# Altium PCB 瓦力驱动.PcbDoc (part 1 of 2) (continued)
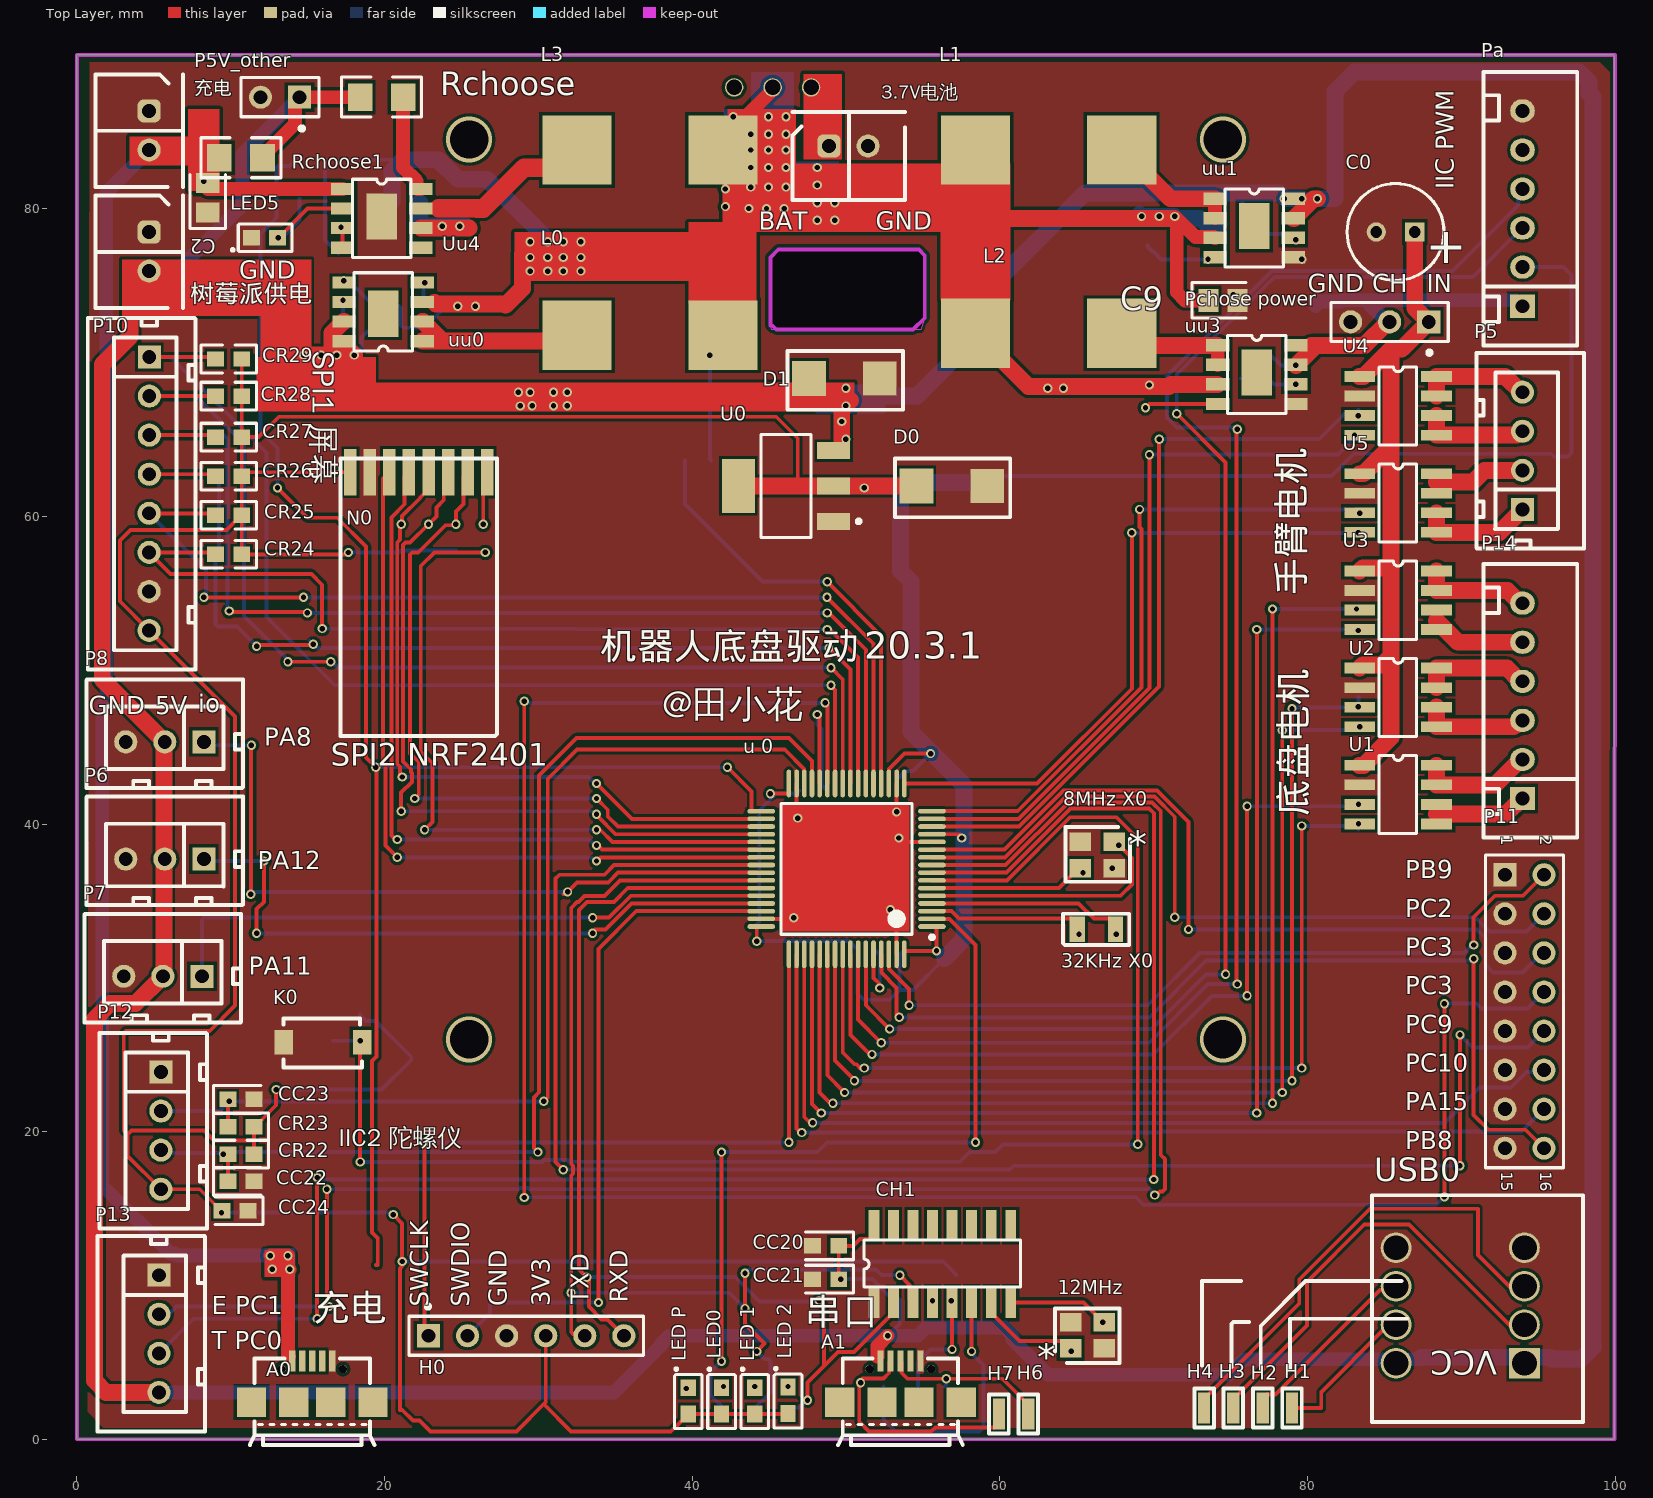
[diagram p0: Top Layer view]
## Components (designator, comment, footprint, x,y, rotation, side; value= is the part's Value field where it differs from the comment) (continued)
CR25 "Resistor Chip 0603" CR1608-0603 9.867,60.071 r0 top value=47K
CR26 "Resistor Chip 0603" CR1608-0603 9.867,62.611 r0 top value=47K
CR27 "Resistor Chip 0603" CR1608-0603 9.867,65.151 r0 top value=47K
CR28 "Resistor Chip 0603" CR1608-0603 9.867,67.818 r0 top value=47K
CR29 "Resistor Chip 0603" CR1608-0603 9.867,70.231 r0 top value=47K
CR30 "Resistor Chip 0603" CR1608-0603 26.416,58.635 r270 bottom value=4.7K
CR31 "Resistor Chip 0603" CR1608-0603 21.082,58.635 r270 bottom value=47K
CR32 "Resistor Chip 0603" CR1608-0603 24.638,58.635 r270 bottom value=47K
CR33 "Resistor Chip 0603" CR1608-0603 22.86,58.635 r270 bottom value=47K
D0 "SMBJ3.3A" DO214AA(SMB) 54.582,61.976 r0 top
D1 "SMBJ3.3A" DO214AA(SMB) 47.597,68.961 r0 top
H0 "Header 6" HDR1X6 22.86,6.731 r0 top
H1 "H0" "header 1" 78.994,2.032 r0 top
H2 "H0" "header 1" 77.089,2.032 r0 top
H3 "H0" "header 1" 75.184,2.032 r0 top
H4 "H0" "header 1" 73.279,2.032 r0 top
H6 "H0" "header 1" 61.849,1.651 r0 top
H7 "H0" "header 1" 59.944,1.651 r0 top
K0 "KEY 3*4" "KEY 3*4" 13.442,25.823 r0 top
L0 "2.2UH" Inductor-1040 42.012,71.774 r270 top
L1 "2.2UH" Inductor-1040 58.42,83.82 r90 top
L2 "2.2UH" Inductor-1040 58.42,71.901 r90 top
L3 "1UH" Inductor-1040 32.512,83.82 r90 top
LED0 "LED Chip" CLED1608-0603 41.91,2.501 r90 top
LED5 "LED Chip" CLED1608-0603 12.192,78.105 r180 top
"LED 1" "LED Chip" CLED1608-0603 44.069,2.501 r90 top
"LED 2" "LED Chip" CLED1608-0603 46.228,2.54 r90 top
"LED P" "LED Chip" CLED1608-0603 39.751,2.501 r90 top
N0 "NRF24L01" NRF24L01 17.78,62.865 r0 top
P5 "Header 4" HX2.54-4 93.98,60.452 r90 top
P5V_other "Header 2" HDR1X2 14.478,87.249 r180 top
P6 "Header 3" HX2.54-3 8.255,37.719 r180 top
P7 "Header 3" HX2.54-3 8.128,30.099 r180 top
P8 "Header 3" HX2.54-3 8.255,45.339 r180 top
P10 "Header 8" HX2.54-8 4.709,70.358 r270 top
P11 "Header 8X2" HDR2X8 92.837,36.703 r270 top
P12 "Header 4" HX2.54-4 5.461,23.876 r270 top
P13 "Header 4" HX2.54-4 5.334,10.668 r270 top
P14 "Header 6" HX2.54-6 93.98,41.656 r90 top
Pa "Header 6" HX2.54-6 93.98,73.66 r90 top
"Pchose power" "Header 3" HDR1X3 87.884,72.644 r180 top
R0 "Resistor Chip 0805" CR2012-0805 21.336,80.391 r0 bottom value=0.5R
R4 "Resistor Chip 0603" CR1608-0603 40.386,63.627 r0 bottom value=10K
R5 "Resistor Chip 0603" CR1608-0603 40.386,61.838 r0 bottom value=10K
R6 "Resistor Chip 0603" CR1608-0603 21.678,73.787 r0 bottom value=100K
R7 "Resistor Chip 0603" CR1608-0603 18.073,72.009 r180 bottom value=310K
R8 "Resistor Chip 0603" CR1608-0603 18.147,74.041 r0 bottom value=100K
R9 "Resistor Chip 0603" CR1608-0603 69.596,78.447 r270 bottom value=100K
R10 "Resistor Chip 0603" CR1608-0603 76.62,78.359 r0 bottom value=310K
R11 "Resistor Chip 0603" CR1608-0603 80.557,78.359 r0 bottom value=100K
R12 "Resistor Chip 0603" CR1608-0603 69.723,67.691 r270 bottom value=100K
R13 "Resistor Chip 0603" CR1608-0603 77.47,69.811 r270 bottom value=310K
R14 "Resistor Chip 0603" CR1608-0603 75.692,69.811 r90 bottom value=100K
R15 "Resistor Chip 0603" CR1608-0603 17.297,77.812 r90 bottom value=520R
Rchoose "Resistor Chip 1206" CR3216-1206 19.809,87.249 r180 top value=0R
Rchoose1 "Resistor Chip 1206" CR3216-1206 10.667,83.312 r0 top value=0R
Rchoose2 "Resistor Chip 1206" CR3216-1206 14.478,82.045 r270 bottom value=0R
SW0 "MKS-12D19" "SW  MKS 12D19" 42.73,87.884 r0 bottom
U0 "AMS1117-3.3" SOT-223 46.101,61.976 r90 top
U1 "RZ7899" SOP8 83.392,43.815 r0 top
U2 "RZ7899" SOP8 83.392,50.133 r0 top
U3 "RZ7899" SOP8 83.392,56.451 r0 top
U4 "RZ7899" SOP8 83.392,69.088 r0 top
U5 "RZ7899" SOP8 83.392,62.77 r0 top
"u 0" "STM32F103RCT6" STM-LQFP64_N 50.038,37.084 r180 top
USB0 "USB 8P" "USB DIP 8" 94.107,4.946 r180 top
uu0 "PS7526" ESOP8 22.452,71.393 r180 top
uu1 "PS7526" ESOP8 73.994,80.645 r0 top
uu3 "PS7526" ESOP8 74.168,71.12 r0 top
Uu4 "IP5306" ESOP8 17.272,81.28 r0 top
充电 "Header 2" HX2.54-2 4.699,86.36 r270 top
树莓派供电 "Header 2" HX2.54-2 4.699,78.486 r270 top

## Footprints (in the part's own frame and the unit in brackets; to place one, negate y for a bottom-side part, rotate by r counter-clockwise, add the part's x,y. Pads: shape width x height; smd on the part's side, far side on the other; paste and mask are expansions set on the pad)
CAPPR2.5-6.3X5 [mm]
  rect 1.25x1.25 hole 0.75: 1(-1.25,0)
  round 1.25 hole 0.75: 2(1.25,0)
  silkscreen extent -3.15,-3.15 3.15,3.15, body extent -3.15,-3.14 3.15,3.15, height 5
CC1608-0603 [mm]
  rect 1.1x1 smd: 1(-0.85,0) 2(0.85,0)
  silkscreen extent -1.8,-0.9 1.3,0.9, body extent -0.8,-0.4 0.8,0.4, height 0.3
CC2012-0805 [mm]
  rect 1.3x1.5 smd: 1(-0.95,0) 2(0.95,0)
  silkscreen extent -2,-1.15 1.5,1.15, body extent -1,-0.62 1,0.63, height 0.5
CLED1608-0603 [mm]
  rect 1.1x1 smd: 1(-0.85,0) 2(0.85,0)
  silkscreen extent -1.8,-0.9 2.11,0.9, body extent -0.8,-0.4 0.8,0.4, height 0.6
CR1608-0603 [mm]
  rect 1.1x1 smd: 1(-0.85,0) 2(0.85,0)
  silkscreen extent -1.8,-0.9 1.8,0.9, body extent -0.8,-0.4 0.8,0.4, height 0.45
CR2012-0805 [mm]
  rect 1.3x1.5 smd: 1(-0.95,0) 2(0.95,0)
  silkscreen extent -2,-1.15 2,1.15, body extent -1,-0.63 1,0.63, height 0.55
CR3216-1206 [mm]
  rect 1.6x1.8 smd: 1(-1.4,0) 2(1.4,0)
  silkscreen extent -2.6,-1.3 2.6,1.3, body extent -1.6,-0.8 1.6,0.8, height 0.6
DO214AA(SMB) [mm] "稳压管"
  rect 2.2x2.3 smd: 1(0,0)
  rect 2.2x2.2 smd: 2(4.6,0)
  silkscreen extent -1.4,-2.03 6.1,1.78, body extent -0.41,-1.93 4.99,1.67, height 2.3
ESOP8 [mm]
  rect 1.5x0.8 smd: 1(0,0) 2(0,-1.27) 3(0,-2.54) 4(0,-3.81) 5(5.081,-3.81) 6(5.081,-2.54) 7(5.081,-1.27) 8(5.081,0)
  rect 2x3 smd: 9(2.54,-1.778)
  silkscreen extent 0.63,-4.44 4.45,0.64, body extent -0.56,-4.41 5.64,0.6, height 1.75
HDR1X2 [mm] "Connector; Header; 2 Position"
  rect 1.5x1.5 hole 0.9: 1(0,0)
  round 1.5 hole 0.9: 2(2.54,0)
  silkscreen extent -1.27,-1.27 3.81,2.17, body extent -1.27,-1.27 3.81,1.27, height 8.54
HDR1X3 [mm] "Connector; Header; 3 Position"
  rect 1.5x1.5 hole 0.9: 1(0,0)
  round 1.5 hole 0.9: 2(2.54,0) 3(5.08,0)
  silkscreen extent -1.27,-1.27 6.35,2.14, body extent -1.27,-1.27 6.35,1.27, height 8.54
HDR1X6 [mm] "Connector; Header; 6 Position"
  rect 1.5x1.5 hole 0.9: 1(0,0)
  round 1.5 hole 0.9: 2(2.54,0) 3(5.08,0) 4(7.62,0) 5(10.16,0) 6(12.7,0)
  silkscreen extent -1.27,-1.27 13.97,2.04, body extent -1.27,-1.27 13.97,1.27, height 8.54
HDR2X8 [mm] "Connector; Header; 8x2 Position"
  rect 1.5x1.5 hole 0.9: 1(0,0)
  round 1.5 hole 0.9: 2(0,2.54) 3(2.54,0) 4(2.54,2.54) 5(5.08,0) 6(5.08,2.54) 7(7.62,0) 8(7.62,2.54) 9(10.16,0) 10(10.16,2.54) 11(12.7,0) 12(12.7,2.54) 13(15.24,0) 14(15.24,2.54) 15(17.78,0) 16(17.78,2.54)
  silkscreen extent -1.27,-1.27 19.05,3.81, body extent -1.27,-1.27 19.05,3.81, height 8.54
"header 1" [mm]
  rect 0.8x2 smd: 1(0,0)
  silkscreen extent -0.64,-1.27 0.64,1.27
HX2.54-2 [mm] "两针白色插座（已加焊）"
  rrect50% 1.5x1.5 hole 0.9: 1(0,0)
  round 1.5 hole 0.9: 2(2.54,0)
  silkscreen extent -2.36,-3.5 4.94,2.2, body extent -2.48,-3.55 5.02,2.45, height 7
HX2.54-3 [mm]
  rect 1.5x1.5 hole 0.9: 1(0,0)
  round 1.5 hole 0.9: 2(2.54,0) 3(5.08,0)
  silkscreen extent -2.54,-4.06 7.63,3, body extent -2.41,-3.58 7.59,2.42, height 7
HX2.54-4 [mm]
  rect 1.5x1.5 hole 0.9: 1(0,0)
  round 1.5 hole 0.9: 2(2.54,0) 3(5.08,0) 4(7.62,0)
  silkscreen extent -2.54,-4 10.16,3, body extent -2.4,-3.56 10.12,2.44, height 7
HX2.54-6 [mm]
  rect 1.5x1.6 hole 0.9: 1(0,0)
  oval 1.5x1.6 hole 0.9: 2(2.54,0) 3(5.08,0) 4(7.62,0) 5(10.16,0) 6(12.7,0)
  silkscreen extent -2.54,-3.56 15.24,2.54, body extent -2.54,-3.63 15.24,2.36, height 6.1
HX2.54-8 [mm]
  rect 1.5x1.5 hole 0.9: 1(0,0)
  round 1.5 hole 0.9: 2(2.54,0) 3(5.08,0) 4(7.62,0) 5(10.16,-0.01) 6(12.7,-0.01) 7(15.24,-0.01) 8(17.78,-0.01)
  silkscreen extent -2.54,-4 20.32,3, body extent -2.54,-3.63 20.32,2.36, height 6.1
Inductor-1040 [mm]
  rect 4.5x4.5 smd: 1(0,0) 2(0,-9.5)
  body extent -5.08,-10.67 4.95,0.38, height 4
"KEY 3*4" [mm]
  rect 1.2x1.6 smd: 1(0,0) 2(5.1,0)
  silkscreen extent 0,-1.65 5.08,1.52, body extent 0.51,-1.71 4.57,1.46, height 2.5
"Micro USB" [mm]
  round 0.55 hole 0.55 unplated: 0(1.994,-2.15) 0(5.994,-2.15)
  rect 0.4x1.35 smd: 1(5.294,-2.675) 2(4.644,-2.675) 3(3.994,-2.675) 4(3.344,-2.675) 5(2.694,-2.675)
  rect 1.9x1.9 smd: 6(7.944,0) 7(0.044,0) 8(5.194,0) 9(2.794,0)
  silkscreen extent -0.06,-2.85 8.04,2.78, body extent 0,-2.85 7.98,2.58, height 2.72
NRF24L01 [mm]
  rect 0.813x3 smd: 1(0,0) 2(1.27,0) 3(2.54,0) 4(3.81,0) 5(5.08,0) 6(6.35,0) 7(7.62,0) 8(8.89,0)
  silkscreen extent -0.64,-17.14 9.53,0.9, body extent -0.64,-17.14 9.53,0.89, height 0.25
SOP8 [mm]
  rect 2x0.7 smd: 1(0,0) 2(0,-1.27) 3(0,-2.54) 4(0,-3.81) 5(5,-3.81) 6(5,-2.54) 7(5,-1.27) 8(5,0)
  silkscreen extent 1.27,-4.44 3.68,0.64, body extent -0.56,-4.41 5.64,0.59, height 1.75
SOP16 [mm]
  rect 2x0.7 smd: 1(0,0) 2(0,-1.27) 3(0,-2.54) 4(0,-3.81) 5(0,-5.08) 6(0,-6.35) 7(0,-7.62) 8(0,-8.89) 9(5,-8.89) 10(5,-7.62) 11(5,-6.35) 12(5,-5.08) 13(5,-3.81) 14(5,-2.54) 15(5,-1.27) 16(5,0)
  silkscreen extent 1.02,-9.53 4.06,0.64, body extent -0.58,-9.44 5.66,0.55, height 1.59
SOT-223 [mm]
  rect 1.1x2.15 smd: 1(-2.3,-3.1) 2(0,-3.1) 3(2.3,-3.1)
  rect 3.5x2.15 smd: 2(0,3.1)
  silkscreen extent -3.35,-4.85 3.35,1.63, body extent -3.25,-3.48 3.25,3.48, height 1.7
STM-LQFP64_N [mm] "Thin QFP, 64-Leads, Body 10x10mm, Pitch 0.5mm, IPC Medium Density"
  oval 1.8x0.3 smd: 1(-5.55,3.75) 2(-5.55,3.25) 3(-5.55,2.75) 4(-5.55,2.25) 5(-5.55,1.75) 6(-5.55,1.25) 7(-5.55,0.75) 8(-5.55,0.25) 9(-5.55,-0.25) 10(-5.55,-0.75) 11(-5.55,-1.25) 12(-5.55,-1.75) 13(-5.55,-2.25) 14(-5.55,-2.75) 15(-5.55,-3.25) 16(-5.55,-3.75) 33(5.55,-3.75) 34(5.55,-3.25) 35(5.55,-2.75) 36(5.55,-2.25) 37(5.55,-1.75) 38(5.55,-1.25) 39(5.55,-0.75) 40(5.55,-0.25) 41(5.55,0.25) 42(5.55,0.75) 43(5.55,1.25) 44(5.55,1.75) 45(5.55,2.25) 46(5.55,2.75) 47(5.55,3.25) 48(5.55,3.75)
  oval 0.3x1.8 smd: 17(-3.75,-5.55) 18(-3.25,-5.55) 19(-2.75,-5.55) 20(-2.25,-5.55) 21(-1.75,-5.55) 22(-1.25,-5.55) 23(-0.75,-5.55) 24(-0.25,-5.55) 25(0.25,-5.55) 26(0.75,-5.55) 27(1.25,-5.55) 28(1.75,-5.55) 29(2.25,-5.55) 30(2.75,-5.55) 31(3.25,-5.55) 32(3.75,-5.55) 49(3.75,5.55) 50(3.25,5.55) 51(2.75,5.55) 52(2.25,5.55) 53(1.75,5.55) 54(1.25,5.55) 55(0.75,5.55) 56(0.25,5.55) 57(-0.25,5.55) 58(-0.75,5.55) 59(-1.25,5.55) 60(-1.75,5.55) 61(-2.25,5.55) 62(-2.75,5.55) 63(-3.25,5.55) 64(-3.75,5.55)
  silkscreen extent -5.68,-4.25 4.25,4.57, body extent -5,-5 5,5, height 1.6
"SW  MKS 12D19" [mm]
  round 1.2 hole 1: 1(0,0) 2(2.5,0) 3(5,0)
  silkscreen extent -2,-3.81 7,0.89, body extent -2.03,-3.81 6.98,0.89, height 1.5
"T 3215" [mm]
  rect 1x1.65 smd: 1(0,0) 2(2.5,0)
  silkscreen extent -0.89,-1.02 3.43,1.02, body extent -0.33,-0.75 2.87,0.75, height 0.8
"T 3225" [mm]
  rect 1.4x1.2 smd: 1(0,-1.7) 2(2.2,0) 3(0,0) 3(2.2,-1.7)
  silkscreen extent -1.02,-2.67 3.18,0.89, body extent -0.51,-2.16 2.67,0.51, height 0.5
"USB DIP 8" [mm]
  rect 2x2 hole 1.6: 1(0,0)
  round 2 hole 1.6: 2(0,-2.5) 3(0,-5) 4(0,-7.5) 5(8.35,-7.5) 6(8.35,-5) 7(8.35,-2.5) 8(8.35,0)
  silkscreen extent -3.81,-10.92 9.91,3.81, body extent -3.56,-10.73 9.65,3.62, height 10.5

## Part data
3.7V电池 P5V_other 充电 树莓派供电: "Header, 2-Pin", LatestRevisionDate=17-Jul-2002, LatestRevisionNote="Re-released for DXP Platform.", Publisher="Altium Limited"
C0: "Polarized Capacitor (Radial)", Voltage=16V, Published=8-Jun-2000, Publisher="Altium Limited", Revision="July-2002: Re-released for DXP Platform."
C1 C2 C3 C4 C5 C6 C7 C8 C9 C10 CC1 CC2 CC3 CC4 CC5 CC6 CC7 CC8 CC9 CC10 CC11 CC12 CC13 CC14 CC15 CC16 CC17 CC18 CC19 CC20 CC21 CC22 CC23 CC24: "Polarized Capacitor (Radial)", Published=8-Jun-2000, Publisher="Altium Limited", Revision="July-2002: Re-released for DXP Platform."
C18 CR1 CR2 CR3 CR4 CR5 CR6 CR7 CR8 CR9 CR10 CR11 CR12 CR13 CR14 CR15 CR16 CR17 CR19 CR20 CR21 CR22 CR23 CR24 CR25 CR26 CR27 CR28 CR29 CR30 CR31 CR32 CR33 R0 R4 R5 R6 R7 R8 R9 R10 R11 R12 R13 R14 R15 Rchoose Rchoose1 Rchoose2: "Resistor", Published=8-Jun-2000, Publisher="Altium Limited", Revision="July-2002: Re-released for DXP Platform."
CH1: "串口转USB"
D0 D1: "3.3V稳压管，缓解瞬间电压冲击"
H0 P14 Pa: "Header, 6-Pin", LatestRevisionDate=17-Jul-2002, LatestRevisionNote="Re-released for DXP Platform.", Publisher="Altium Limited"
H1 H2 H3 H4 H6 H7: library part "header 1"
L0 L1 L2 L3: library part Inductor, "圆柱线圈的贴片电感"
LED0 LED5 "LED 1" "LED 2" "LED P": "Typical Chip LED", Published=8-Jun-2000, Publisher="Altium Limited", Revision="July-2002: Re-released for DXP Platform."
P5 P12 P13: "Header, 4-Pin", LatestRevisionDate=17-Jul-2002, LatestRevisionNote="Re-released for DXP Platform.", Publisher="Altium Limited"
P6 P7 P8 "Pchose power": "Header, 3-Pin", LatestRevisionDate=17-Jul-2002, LatestRevisionNote="Re-released for DXP Platform.", Publisher="Altium Limited"
P10: "Header, 8-Pin", LatestRevisionDate=17-Jul-2002, LatestRevisionNote="Re-released for DXP Platform.", Publisher="Altium Limited"
P11: "Header, 8-Pin, Dual row", LatestRevisionDate=17-Jul-2002, LatestRevisionNote="Re-released for DXP Platform.", Publisher="Altium Limited"
SW0: library part sw-MSK-12D19
U0: library part AMS1117, "POSITIVE OUTPUT VOLTAGE"
U1 U2 U3 U4 U5: "电机驱动:输入支持3V-25V，输出支持6A"
"u 0": "ARM Cortex-M3 32-bit MCU, 256 KB Flash, 48 KB Internal RAM, 51 I/Os, 64-pin LQFP, -40 to 85 degC, Tray", I/Os (High Current)=51, Operating Frequency(F) (Processor speed) (MHz)=72, Supplier Part Number 1=497-9033-ND, Supply Voltage(Vcc) min (V)=2, A/D Converter="3x12-bit (16 Channel)", ComponentLink1Description="Manufacturer URL", ComponentLink1URL=http://www.st.com/web/en/home.html, ComponentLink2Description=Datasheet, ComponentLink2URL=http://www.st.com/st-web-ui/static/active/en/resource/technical/document/datasheet/CD00191185.pdf, ComponentLink3Description="Package Specification", ComponentLink3URL=http://www.st.com/st-web-ui/static/active/en/resource/technical/document/datasheet/DM00037051.pdf, Core="ARM Cortex-M3", D/A Converter="2x12-bit (2 Channel)", DatasheetVersion="Rev. 8", FLASH Size (Prog) (kB)=256, Internal RAM Size (kB)=48, Mounting Technology="Surface Mount", PackageDescription="64-Pin Low Profile Quad Flat Package, 10 x 10 mm Body, 0.5 mm Pitch", PackageReference=LQFP64, PackageVersion="Rev. 4, 06/2013", Packing=Tray, PartNumber=STM32F103RCT6, Supplier 1=Digi-Key, Supplier 2=Newark, Supplier 3=Newark, Supplier 4=Mouser, Supplier Part Number 2=01P4099, Supplier Part Number 3=57P1227, Supplier Part Number 4=511-STM32F103RCT6
USB0: library part "USB DIP 8P"
uu0 uu1 uu3: "3.7V升压输出5V2A/2.4A，(3V,3.3V.3.7V升压输出5V2A/2.4A，PS7526超高效率的同步整流升压方案。实际应用足2.4A。)PS7526超高效率的同步整流升压方案。Ê"
Uu4: "2A的锂电池充电ic,同时具有升压5V输出的功能"

## Via types
v1: diameter 0.6, hole 0.35, Top Layer to Bottom Layer, 246 vias
v2: diameter 3, hole 2.5, Top Layer to Bottom Layer, 4 vias

## Nets (pads, with @x,y where several pads share a name; then routed paths per layer and width w, separated by ;. In a path a pad name is that pad's centre, name@x,y a point inside that pad or via, vN(x,y) a via of type N, cw(c..) or ccw(c..) an arc to the next point about the centre after c; other vN are vias at no path point)
3V3: "LED 1.1" "LED 2.1" "LED P.1" "u 0.1" "u 0.13" "u 0.19" "u 0.32" "u 0.48" "u 0.64" CC6.1 CC7.1 CC8.1 CC9.1 CC10.1 CC11.2 CC12.2 CC13.2 CC24.2 CR1.1 CR8.2 CR22.1 CR23.1 CR24.2 CR25.2 CR26.2 CR27.2 CR28.2 CR29.2 CR31.2 CR32.2 CR33.2 D0.1 H0.4 LED0.1 N0.1 P10.8 P12.4 Pa.2 U0.2 | length 417.9
  Top Layer w0.254: CC24.2@9.387,14.859 7.99,16.256 P12.4@5.461,16.256 3.302,18.415 3.302,19.812 ; CR29.2@10.717,70.231 CR28.2@10.717,67.818 CR27.2@10.717,65.151 ; CR22.1@11.518,18.542 11.518,19.431 ; v1(12.954,22.733) 12.954,21.717 12.573,21.336 12.573,21.325 11.568,20.32 CR23.1@11.518,20.32 11.518,19.431 ; v1(17.653,57.648) 17.536,57.531 CR24.2@10.717,57.531 CR25.2@10.717,60.071 ; N0.1@17.78,62.865 10.971,62.865 CR26.2@10.717,62.611 ; v1(20.574,14.605) 21.148,14.031 v1(21.148,11.557) 21.148,11.248 21.016,11.115 21.016,1.905 21.152,1.905 21.848,1.209 22.286,1.209 22.987,0.508 28.575,0.508 30.353,2.286 ; H0.4@30.48,6.731 30.48,2.413 30.353,2.286 ; v1(44.196,32.385) 44.196,33.313 44.217,33.334 44.488,33.334 ; v1(45.085,41.971) 46.267,41.971 46.288,41.992 46.288,42.634 ; 46.228,1.69 46.189,1.651 44.069,1.651 LED0.1@41.91,1.651 39.751,1.651 39.751,1.601 39.378,1.228 39.328,1.228 38.608,0.508 32.131,0.508 30.353,2.286 ; 46.863,61.976 46.863,65.078 45.466,66.475 13.135,66.475 11.811,65.151 CR27.2@10.717,65.151 ; 52.788,42.634 52.797,42.643 52.797,43.567 53.806,44.577 v1(55.499,44.577) ; 53.788,31.534 53.788,31.729 53.809,31.75 v1(55.88,31.75) 55.88,33.313 55.859,33.334 55.588,33.334 ; 55.588,39.334 v1@57.382,39.334 ; 3.302,19.812 3.048,20.066 3.048,26.394 3.197,26.543 8.636,26.543 10.287,28.194 10.287,46.99 P10.8@4.699,52.578 2.794,54.483 2.794,58.42 3.495,59.121 9.717,59.121 10.667,60.071 CR25.2@10.717,60.071 ; 3.302,19.812 3.556,20.066 8.267,20.066 8.902,19.431 11.518,19.431 ; CR25.2@10.717,60.071 CR26.2@10.717,62.611 ; CR26.2@10.717,62.611 CR27.2@10.717,65.151
  Top Layer w1.1: U0.2@43.001,61.976 46.863,61.976 D0.1@54.582,61.976
  Bottom Layer w0.254: v1(9.398,14.732) 20.447,14.732 v1(20.574,14.605) ; v1(12.954,22.733) 13.081,22.86 13.843,22.86 13.97,22.733 19.812,22.733 21.739,24.66 21.739,24.87 19.424,27.185 18.788,27.185 18.415,27.558 CR1.1@18.415,27.608 ; v1(17.653,57.648) 20.945,57.648 CR31.2@21.082,57.785 CR33.2@22.86,57.785 CR32.2@24.638,57.785 ; v1(21.148,11.557) 21.16,11.545 56.323,11.545 57.15,10.718 CR8.2@57.15,10.668 ; v1(45.085,41.971) 46.797,41.971 CC9.1@46.99,42.164 ; v1@45.276,41.78 44.362,40.867 CC6.1@44.362,33.655 44.196,33.489 v1(44.196,32.385) 50.204,32.385 50.756,31.833 50.756,29 51.181,28.575 52.832,28.575 53.467,29.21 ; CC8.1@53.467,43.014 53.467,43.064 53.84,43.437 54.359,43.437 v1(55.499,44.577) ; CC7.1@55.206,39.37 v1@57.531,39.37 ; v1(55.88,31.75) CC10.1@53.721,31.75 53.467,31.496 53.467,29.21 ; 56.388,31.242 54.356,29.21 53.467,29.21 ; CC13.2@58.674,62.191 58.674,62.241 59.047,62.614 81.564,62.614 83.019,64.069 95.824,64.069 96.012,63.881 96.901,63.881 97.155,64.135 97.155,75.692 96.647,76.2 Pa.2@93.98,76.2
  Bottom Layer w1.1: v1@51.181,61.976 53.545,61.976 ; 56.388,31.242 57.658,32.512 v1@57.658,39.089 ; 57.658,39.497 57.658,42.545 54.229,45.974 54.229,55.753 53.545,56.437 53.545,61.976 ; CC13.2@58.674,62.191 CC12.2@56.848,62.191 CC11.2@54.991,62.191 53.76,62.191 53.545,61.976
  other v1: 57.531,39.089 51.181,61.849
5V: A1.1 C6.1 C8.1 CC14.2 CC15.2 CC16.2 CC20.1 CC21.1 CH1.16 CR11.2 D1.1 P5V_other.1 P6.2 P7.2 P8.2 P13.4 R7.1 R10.1 Rchoose1.2 Rchoose.2 U0.3 USB0.1 USB0.8 uu0.7 uu0.8 uu1.7 uu1.8 树莓派供电.2 | length 379.2
  Top Layer w0.254: CC21.1@49.53,10.414 CC20.1@49.53,12.573 50.461,12.573 50.905,13.017 51.593,13.017 51.816,13.24 CH1.16@51.816,13.89
  Top Layer w0.9: Rchoose1.2@12.067,83.312 12.067,83.412 14.178,85.523 14.178,86.949 P5V_other.1@14.478,87.249 Rchoose.2@18.409,87.249 ; 52.037,5.371 52.037,6.063 v1(52.705,6.731)
  Top Layer w1.1: 树莓派供电.2@4.765,76.012 树莓派供电.2@4.699,75.946 3.471,74.718 3.471,71.681 1.651,69.861 1.651,49.403 P8.2@5.715,45.339 5.651,45.276 5.651,30.162 P7.2@5.588,30.099 3.81,28.321 2.159,28.321 1.143,27.305 1.143,3.81 1.905,3.048 P13.4@5.334,3.048 ; v1(14.732,70.485) v1(15.875,70.485) v1(16.891,70.485) v1(18.034,70.485) 17.907,70.612 16.59,70.612 16.59,71.932 17.321,72.663 uu0.7@17.371,72.663 ; U0.3@49.201,64.276 49.726,64.276 v1(49.726,66.167) 49.726,66.986 50.276,67.536 50.288,67.536 ; uu1.7@79.075,79.375 79.125,79.375 80.395,80.645 v1(80.645,80.645)
  Bottom Layer w0.254: v1(18.034,70.485) 18.516,70.967 18.516,71.636 18.889,72.009 R7.1@18.923,72.009 ; v1(49.657,10.414) 51.71,10.414 52.733,9.391 53.133,9.391 53.506,9.018 CR11.2@53.506,8.968 53.506,7.532 v1(52.705,6.731) ; 75.692,81.026 75.77,80.948 R10.1@75.77,78.359
  Bottom Layer w0.9: 树莓派供电.2@4.699,75.946 4.814,76.061 6.592,76.061 10.772,80.241 10.772,83.543 P5V_other.1@14.478,87.249 ; P13.4@5.334,3.048 34.925,3.048 37.973,6.096 37.973,6.204 38.5,6.731 v1(52.705,6.731) 54.679,6.731 55.206,7.258 60.306,7.258 60.833,6.731 60.833,6.477 63.119,4.191 74.891,4.191 75.907,5.206 87.535,5.206
  Bottom Layer w1.1: CC15.2@51.816,67.945 51.943,67.818 54.61,67.818 58.293,71.501 58.293,73.787 65.532,81.026 75.692,81.026 78.192,81.026 ; v1@78.53,80.689 78.573,80.645 v1(79.629,80.645) ; v1(80.645,80.645) 81.661,80.645 ; 81.788,80.645 81.788,87.63 83.058,88.9 97.654,88.9 98.298,88.256 98.298,87.503 98.552,87.249 98.552,5.969 97.79,5.207 95.853,5.207 95.726,5.334 87.376,5.334
  other v1: 49.996,65.02 28.829,67.179 29.591,67.183 30.988,67.179 31.877,67.183 49.996,67.179 28.702,68.072 29.464,68.072 30.988,68.072 31.877,68.072 49.996,68.322 78.486,80.645
"5V for motor": "Pchose power.1" C0.1 U1.1 U2.1 U3.1 U4.1 U5.1 | length 47.5
  Top Layer w1.1: U1.1@83.392,43.815 83.642,43.815 85.442,45.615 85.442,50.927 ; U2.1@83.392,50.133 83.592,50.333 84.849,50.333 85.442,50.927 ; U3.1@83.392,56.451 83.592,56.651 85.071,56.651 85.442,57.023 ; U5.1@83.392,62.77 83.642,62.77 85.007,64.135 85.442,64.135 ; U4.1@83.392,69.088 83.642,69.088 85.442,70.888 ; C0.1@86.975,78.486 86.975,73.553 87.884,72.644 86.128,70.888 85.442,70.888 ; 85.442,50.927 85.442,57.023 ; 85.442,57.023 85.442,64.135 ; 85.442,64.135 85.442,70.888
5VBAT: A0.1 C1.2 C2.2 Rchoose1.1 Uu4.1 充电.2 | length 99.4
  Top Layer w0.9: C2.2@8.509,81.28 11.684,81.28 Uu4.1@17.272,81.28 ; v1(12.573,11.938) v1(13.716,11.938) v1@13.716,11.049 ; v1(12.7,11.049) v1@13.716,11.049 ; 13.797,5.371 13.716,5.452 v1@13.716,11.049 ; v1(13.843,11.049) v1@13.716,11.049
  Bottom Layer w0.254: 13.335,11.545 13.566,11.314
  Bottom Layer w0.9: 充电.2@4.699,83.82 1.905,81.026 1.905,48.006 1.648,47.749 1.648,16.513 6.093,12.068 6.353,12.068 6.483,11.938 v1(12.573,11.938)
  other v1: 8.25,81.788
BAT: C3.1 C5.1 C7.1 C9.1 L0.1 L1.1 L2.1 L3.2 R0.1 R4.2 R6.1 R9.1 R12.1 R15.1 SW0.2 uu0.3 uu1.3 uu3.3 | length 113.3
  Top Layer w0.9: 42.418,77.724 42.418,80.137 42.418,81.28 42.418,84.923 45.148,87.654 SW0.2@45.379,87.884 ; C9.1@73.55,74.041 72.028,74.041 71.501,74.568 71.501,79.375 72.721,78.155 73.944,78.155 uu1.3@73.994,78.105
  Top Layer w1.1: 23.241,73.914 23.342,73.813 27.787,73.813 27.877,73.724 28.956,74.803 28.956,77.089 ; 48.895,79.502 49.022,79.375 69.342,79.375 70.485,79.375 v1@71.374,79.375 ; L2.1@58.42,71.901 61.868,68.453 70.993,68.453 71.12,68.58 uu3.3@74.168,68.58
  Bottom Layer w0.254: R15.1@17.018,77.089 16.129,77.978 16.129,83.185 21.209,83.185 ; R6.1@20.828,73.787 21.082,73.533 21.082,72.412 21.231,72.263 22.606,72.263 24.003,73.66 v1@24.638,73.66 ; v1(41.148,70.485) 41.148,63.715 R4.2@41.236,63.627
  Bottom Layer w1.1: R0.1@20.386,80.391 20.486,80.491 20.486,82.462 21.209,83.185 23.495,83.185 24.765,81.915 26.67,81.915 30.226,78.359 ; v1@69.088,79.629 v1(69.215,79.502) v1(70.358,79.502) v1(71.374,79.502) ; v1@71.501,79.375 73.025,79.375 73.406,78.994 74.246,78.994
  other v1: 63.119,68.326 64.135,68.326 69.723,68.541 24.765,73.66 25.908,73.66 29.464,75.946 30.607,75.946 31.623,75.946 32.766,75.946 29.464,76.835 30.607,76.835 31.623,76.835 32.766,76.835 29.464,77.851 30.607,77.851 31.623,77.851 32.766,77.851 48.133,79.248 49.276,79.248 43.688,80.01 44.831,80.01 45.974,80.01 42.159,80.137 48.133,80.391 49.276,80.391 42.159,81.28 43.815,81.407 44.958,81.407 46.101,81.407 48.133,81.534 43.815,82.677 44.958,82.677 46.101,82.677 48.133,82.677 43.815,83.82 44.958,83.82 46.101,83.82 43.815,84.836 44.958,84.836 46.101,84.836 42.672,85.979 44.958,85.979 46.101,85.979
"BAT dac": "u 0.20" R4.1 R5.1 | length 28.8
  Top Layer w0.254: v1@48.768,55.753 52.288,52.233 52.288,42.634
  Bottom Layer w0.254: R4.1@39.536,63.627 R5.1@39.536,61.838 39.536,60.794 44.577,55.753 v1(48.788,55.753)
BOOT0: "u 0.60" CR3.2 | length 4.9
  Top Layer w0.254: 51.788,31.534 51.788,30 52.197,29.591 v1(52.197,29.337)
  Bottom Layer w0.254: CR3.2@51.943,31.75 52.197,31.496 v1(52.197,29.337)
BOOT1: "u 0.28" CR2.1 | length 9.8
  Top Layer w0.254: v1(48.133,47.117) 48.288,46.962 48.288,42.634
  Bottom Layer w0.254: v1(48.133,47.117) 48.133,46.436 48.395,46.174 48.395,42.537 CR2.1@48.768,42.164 CR2.1@48.768,42.214
Echo: "u 0.9" P13.2 | length 115.5
  Top Layer w0.254: v1(16.256,16.256) 16.256,8.636 v1(16.383,8.636) ; 55.588,37.334 60.378,37.334 64.452,41.408 69.892,41.408 70.461,40.839 70.461,18.486 70.739,18.208 70.739,16.278 70.582,16.121 70.416,16.121 70.171,15.875 v1(70.077,15.875)
  Bottom Layer w0.254: P13.2@5.334,8.128 5.461,8.255 6.093,8.255 6.474,8.636 v1(16.383,8.636) ; v1@16.129,16.256 v1(16.256,16.256) 28.736,16.256 28.823,16.343 29.343,16.343 29.43,16.256 69.75,16.256 70.077,15.929 v1(70.077,15.875)
GND: 3.7V电池.2 12MHz.3 "8MHz X0.3" "Pchose power.3" "u 0.12" "u 0.18" "u 0.31" "u 0.47" "u 0.63" A0.5 A1.5 C0.2 C1.1 C2.1 C3.2 C4.1 C5.2 C6.2 C7.2 C8.2 C9.2 C10.2 C18.1 CC1.1 CC2.1 CC3.1 CC4.1 CC5.1 CC6.2 CC7.2 CC8.2 CC9.2 CC10.2 CC11.1 CC12.1 CC13.1 CC14.1 CC15.1 CC16.1 CC17.1 CC18.1 CC19.1 CC20.2 CC21.2 CC22.2 CC23.2 CC24.1 CH1.1 CR2.2 CR3.1 CR5.2 CR12.1 CR13.1 CR14.1 CR15.1 CR16.1 CR17.1 CR19.1 CR20.1 CR21.1 D0.2 D1.2 H0.3 K0.1 LED5.2 N0.2 P5V_other.2 P6.3 P7.3 P8.3 P10.7 P11.1 P11.3 P11.5 P11.7 P11.9 P11.11 P11.13 P11.15 P12.1 P13.1 Pa.6 R5.2 R11.2 R14.2 U0.1 U1.2 U2.2 U3.2 U4.2 U5.2 USB0.4 USB0.5 uu1.5 uu3.5 Uu4.9 充电.1 树莓派供电.1 | length 11.7
  Top Layer w0.254: 44.488,33.834 46.176,33.834 46.228,33.782 46.482,33.782 v1(46.609,33.909) ; 46.788,42.634 46.788,40.713 46.797,40.704 46.797,40.546 46.83,40.513 46.863,40.513 v1(46.863,40.386) ; v1(52.887,34.422) 53.288,34.021 53.288,31.534 ; v1(53.288,40.784) 53.288,42.634 ; v1(53.437,39.089) 53.692,38.834 55.588,38.834
  other v1: 67.31,37.134 75.184,74.422 79.629,76.708
LED_0: "u 0.2" CR4.2 | length 50.5
  Top Layer w0.254: v1(41.91,5.08) v1(41.91,18.669) ; 55.588,33.834 55.597,33.825 56.739,33.825 58.42,32.144 v1(58.42,19.304)
  Bottom Layer w0.254: v1(41.91,5.08) 41.21,4.38 41.21,2.86 42.037,2.033 CR4.2@42.037,1.983 ; v1(41.91,18.669) 48.133,18.669 48.768,19.304 v1(58.42,19.304)
M1A: P5.4 U4.7 U4.8 | length 7.3
  Top Layer w1.1: U4.7@88.392,67.818 U4.8@88.392,69.088 92.856,69.088 93.872,68.072 P5.4@93.98,68.072
M1B: P5.3 U4.5 U4.6 | length 7
  Top Layer w1.1: U4.6@88.392,66.548 U4.5@88.392,65.278 93.618,65.278 93.872,65.532 P5.3@93.98,65.532